# Altium PCB 111.PcbDoc
Units mil, origin at the board's own origin, x right, y up, seen from the top; angles counter-clockwise.
Board outline 1220.47 x 1968.5 mil, 2 copper layers (Top Layer, Bottom Layer); 44 components, 40 nets, 176 pads, 123 vias.
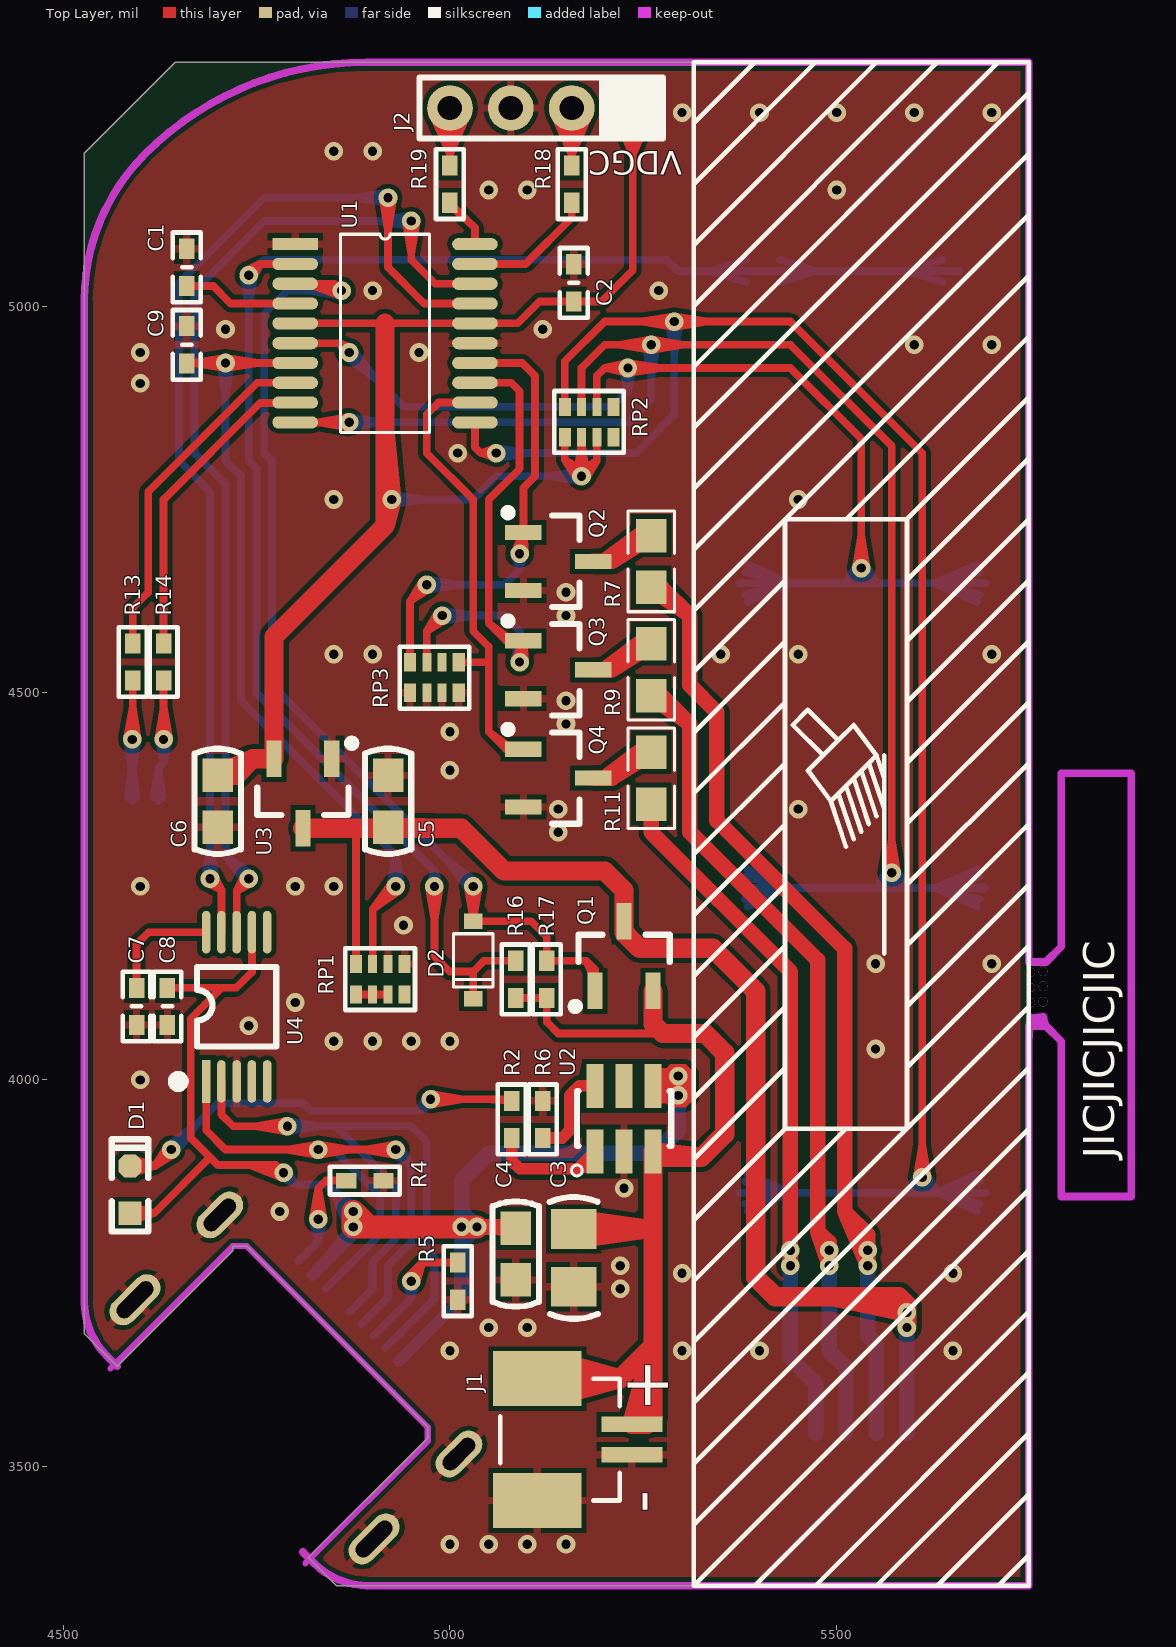
[diagram p0: Top Layer view]
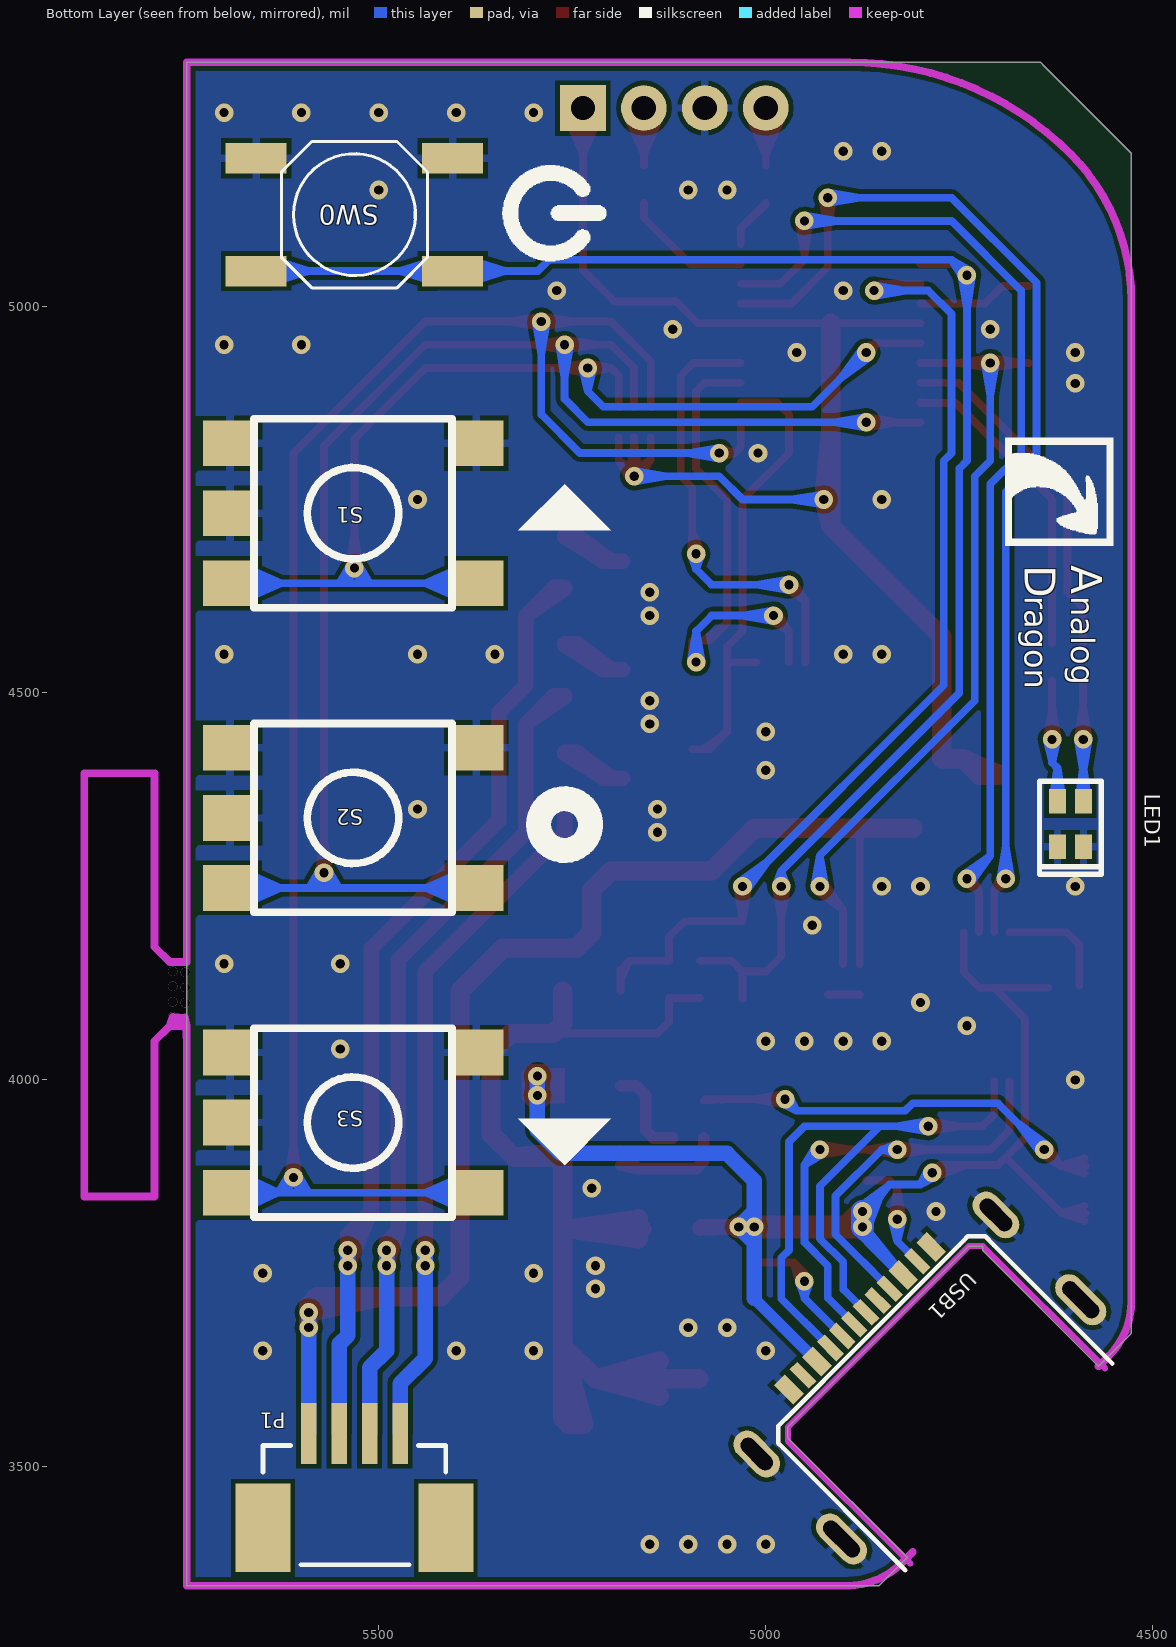
[diagram p1: Bottom Layer view, seen from below]
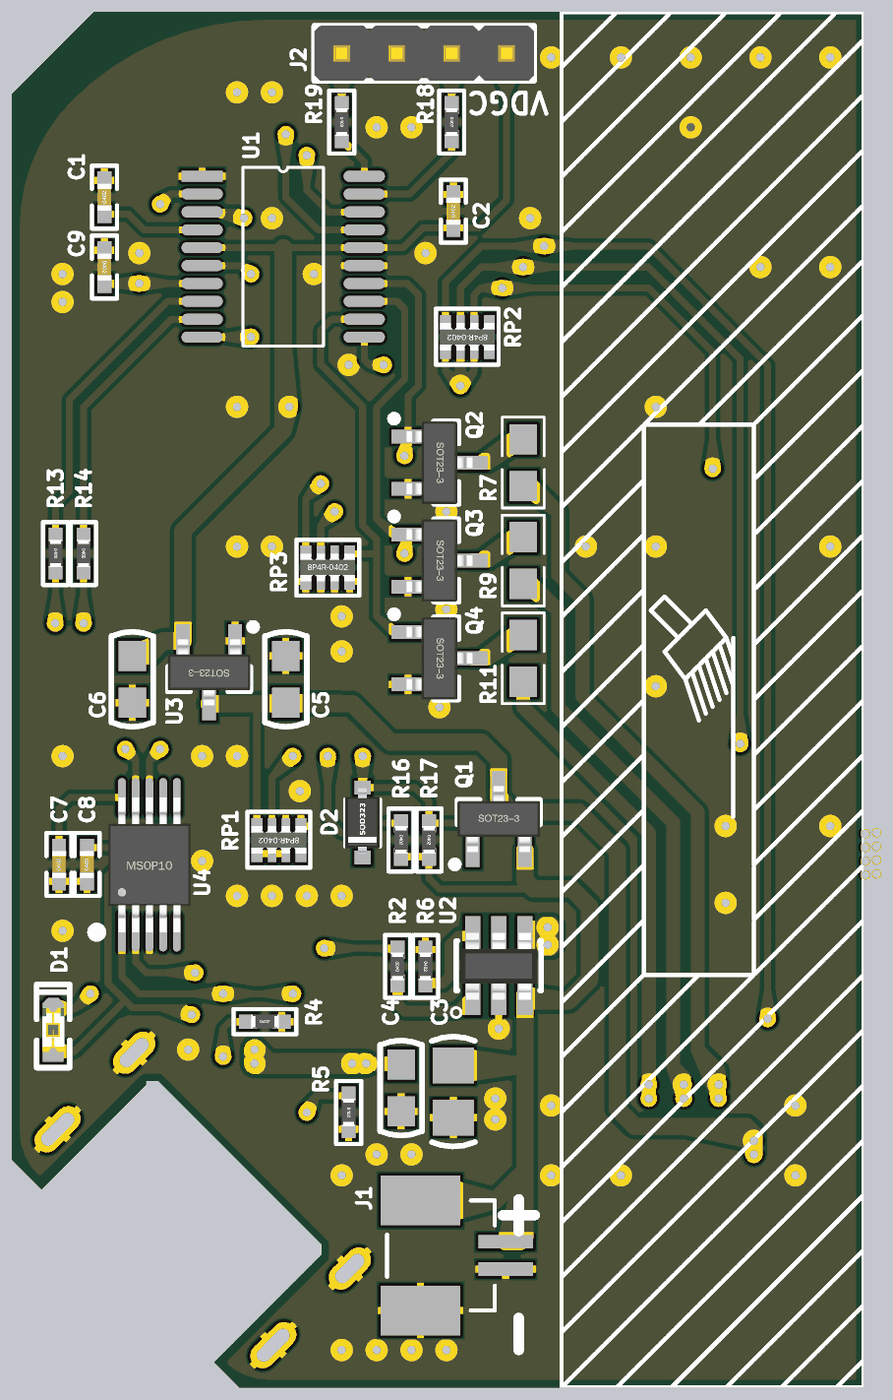
[diagram p2: 3D render of the assembled board from above, using the file's embedded part models]

## Layer stack, top to bottom
Top Layer: signal copper 1.4
Dielectric: dielectric 12.6, FR-4, Dk 4.8
Bottom Layer: signal copper 1.4

## Board outline
5748.03,3346.46 4900,3346.46 4853.54,3346.46 4817.13,3382.87 4971.28,3537.03 4971.28,3551.39 4737.43,3785.24 4719.34,3785.24 4719.34,3779.34 4570,3630 4527.56,3672.44 4527.56,3730 4527.56,5197.56 4640,5310 4644.96,5314.96 4940,5314.96 5748.03,5314.96

## Design rules (kind name [scope] priority, off if disabled: settings)
Clearance [All] p1: gap=6
PolygonConnect PolygonConnect_1 [IsVia] p1: connectstyle=Direct reliefconductorwidth=10 reliefentries=4 polygonreliefangle="90 Angle" airgapwidth=10
PolygonConnect [All] p2: connectstyle=Relief reliefconductorwidth=10 reliefentries=4 polygonreliefangle="90 Angle" airgapwidth=6
RoutingVias [All] p1: holewidth=28 width=50 viastyle="Through Hole" minholewidth=28 minwidth=50 maxholewidth=28 maxwidth=50
SolderMaskExpansion [All] p1: expansion=4
Width [All] p1: maxlimit=100 minlimit=10 preferedwidth=10
28 further rules are at their usual default settings.

## Components (designator, comment, footprint, x,y, rotation, side; value= is the part's Value field where it differs from the comment)
C1 "104" "C 0402_M" 4660,5050 r90 top
C2 "104" "C 0402_M" 5160,5030 r90 top
C3 "Cap" C-RAD-0805 5160,3770 r90 top
C4 "Cap" C-RAD-0603 5085,3775 r90 top
C5 "Cap" C-RAD-0603 4920,4360 r270 top
C6 "Cap" C-RAD-0603 4700,4360 r90 top
C7 "104" "C 0402_M" 4595,4095 r90 top
C8 "104" "C 0402_M" 4635,4095 r90 top
C9 "104" "C 0402_M" 4660,4950 r270 top
D1 "LED wight 0603" "LED 0603R" 4586.61,3858.27 r90 top
D2 "1N4148" SOD-323 5030,4205 r270 top
J1 "Pin HDR1X2" SH1.0_2pin 5235,3555 r270 top
J2 "HDR-1X4" HDR2.0-LI-4P 5118.11,5255.91 r180 top
LED1 "0603" "LED 0603-RG" 4606.3,4330.71 r270 bottom
P1 "P" SH1.0_4pin 5590.55,3543.31 r180 bottom
Q1 "SI2301" SOT23-3N 5225,4160 r0 top
Q2 "SI2302" SOT23-3N 5140,4670 r270 top
Q3 "SI2302" SOT23-3N 5140,4530 r270 top
Q4 "SI2302" SOT23-3N 5140,4390 r270 top
R2 "1K" "R 0402_M" 5080,3949 r90 top
R4 "5K1" "R 0402_M" 4890,3870 r0 top
R5 "5K1" "R 0402_M" 5010,3740 r270 top
R6 "3K3" "R 0402_M" 5120,3949 r270 top
R7 "100R" 0603-1 5260,4670 r270 top
R9 "51R" 0603-1 5260,4530 r270 top
R11 "51R" 0603-1 5260,4390 r270 top
R13 "1K" "R 0402_M" 4590,4540 r270 top
R14 "1K" "R 0402_M" 4630,4540 r270 top
R16 "10K" "R 0402_M" 5085,4130 r270 top (schematic designator R14)
R17 "10k" "R 0402_M" 5125,4130 r270 top (schematic designator R13)
R18 "100" "R 0402_M" 5157.48,5157.48 r270 top (schematic designator R14)
R19 "100" "R 0402_M" 5000,5157.48 r270 top (schematic designator R13)
RP1 "103" RCA-8P4R-0402 4910,4130 r180 top
RP2 "103" RCA-8P4R-0402 5180,4850 r180 top
RP3 "103" RCA-8P4R-0402 4980,4520 r0 top
S1 "SW-6*6 5P" BUTTON-5Pin 5374.02,4822.83 r0 bottom
S2 "SW-6*6 5P" BUTTON-5Pin 5374.02,4429.13 r0 bottom
S3 "SW-6*6 5P" BUTTON-5Pin 5374.02,4035.43 r0 bottom
SW0 "4x4x0.8" TS-027A 5531.5,5118.11 r180 bottom (schematic designator SW1)
U1 "STM32F030F4" TSSOP20 4800,5080 r0 top
U2 "TP4057" SOT23-6 5225,3950 r180 top
U3 "XC6206P332MR" SOT23-3N 4810,4370 r180 top (schematic designator Q1)
U4 "CH340E" MSOP10_M 4724.41,4094.49 r0 top
USB1 "TYPE-C" TYPE-C 4786.04,3783.96 r315 bottom

## Footprints (in the part's own frame and the unit in brackets; to place one, negate y for a bottom-side part, rotate by r counter-clockwise, add the part's x,y. Pads: shape width x height; smd on the part's side, far side on the other; paste and mask are expansions set on the pad)
0603-1 [mm] "贴片带丝印"
  rect 1.1x1 smd: 1(-0.85,0) 2(0.85,0)
  silkscreen extent -1.65,-0.76 1.65,0.76, body extent -1.14,-0.38 1.14,0.38, height 1
BUTTON-5Pin [mm]
  rect 1.8x1.5 smd: 1(0,0) 2(0,4.6) 3(8.077,4.6) 4(8.077,0) 5(8.077,2.3)
  silkscreen extent 0.8,-0.8 7.3,5.4
"C 0402_M" [mil] "无极性贴片电容"
  rect 26x20 smd: 1(-24,0) 2(24,0)
  silkscreen extent -45,-18 45,18, body extent -20,-10 20,10, height 21
C-RAD-0603 [mm] "贴片电容"
  rect 1.1x1 smd: 1(-0.85,0) 2(0.85,0)
  silkscreen extent -1.73,-0.76 1.73,0.76, body extent -1.14,-0.38 1.14,0.38, height 1
C-RAD-0805 [mm] "贴片电容"
  rect 1.3x1.5 smd: 1(-0.95,0) 2(0.95,0)
  silkscreen extent -2,-0.79 2,0.79, body extent -1.27,-0.64 1.27,0.64, height 0.9
HDR2.0-LI-4P [mm] "直插，脚距：2.0mm"
  rect 1.5x1.5 hole 0.8: 1(-3,0)
  round 1.5 hole 0.8: 2(-1,0) 3(1,0) 4(3,0)
  silkscreen extent -4,-1 4,1, body extent -4,-1 4,1, height 6.5
"LED 0603-RG" [mm] "1.5x1.6 mm"
  rect 0.8x0.55 smd: 1(-0.75,0.425) 2(-0.75,-0.425) 3(0.75,-0.425) 4(0.75,0.425)
  silkscreen extent -1.4,-1.02 1.65,1.02, body extent -0.8,-0.75 0.8,0.75, height 0.58
"LED 0603R" [mil] "红色0603LED"
  rect 30x30 smd: 1(-30.59,0)
  oct 30x30 smd: 2(30.59,0)
  silkscreen extent -54,-24 65,24, body extent -31,-16 32,16, height 24
MSOP10_M [mm] "塑封体长3mm，宽3mm，脚距0.5"
  rect 0.28x1.4 smd: 1(-1,-2.45)
  oval 0.28x1.4 smd: 2(-0.5,-2.45) 3(0,-2.45) 4(0.5,-2.45) 5(1,-2.45) 6(1,2.45) 7(0.5,2.45) 8(0,2.45) 9(-0.5,2.45) 10(-1,2.45)
  silkscreen extent -2.07,-2.6 1.3,1.3, body extent -1.5,-2.45 1.5,2.45, height 0.95
"R 0402_M" [mil] "1/16W贴片电阻"
  rect 26x20 smd: 1(-24,0) 2(24,0)
  silkscreen extent -45,-18 45,18, body extent -20,-10 20,10, height 12
RCA-8P4R-0402 [mm] "2mm*1mm*0.45mm(长*宽*厚)"
  rect 0.4x0.6 smd: 1(-0.8,-0.5) 4(0.8,-0.5) 5(0.8,0.5) 8(-0.8,0.5)
  rect 0.3x0.6 smd: 2(-0.25,-0.5) 3(0.25,-0.5) 6(0.25,0.5) 7(-0.25,0.5)
  silkscreen extent -1.14,-1.02 1.15,1.01, body extent -1,-0.5 1,0.5, height 0.45
SH1.0_2pin [mm]
  rect 1.8x2.9 smd: 0(-1.5,-3.1) 0(2.5,-3.1)
  rect 0.5x2 smd: 1(0,0) 2(1,0)
  silkscreen extent -1.5,-4.32 2.5,-0.4
SH1.0_4pin [mm]
  rect 1.8x2.9 smd: 0(-1.5,-3.1) 0(4.5,-3.1)
  rect 0.5x2 smd: 1(0,0) 2(1,0) 3(2,0) 4(3,0)
  silkscreen extent -1.5,-4.32 4.5,-0.4
SOD-323 [mm] "塑封二极管"
  rect 0.5x0.6 smd: A(0,0) K(2.54,0)
  silkscreen extent 0.41,-0.65 2.16,0.65, body extent 0.02,-0.64 2.52,0.62, height 0.9
SOT23-3N [mm] "3x1.3x1mm(长宽高)"
  rect 0.5x1.2 smd: 1(-0.95,-1.143) 2(0.95,-1.143) 3(0,1.143)
  silkscreen extent -1.72,-1.78 1.5,0.7, body extent -1.5,-1.2 1.5,1.2, height 1.05
SOT23-6 [mm] "SOT-23/SC-74A; 5 Leads; Body 3.1 x 3 mm, inc. leads (LxW max)"
  rect 0.55x1.45 smd: 1(0.95,1.075) 2(0,1.075) 3(-0.95,1.075) 4(-0.95,-1.075) 5(0,-1.075) 6(0.95,-1.075)
  silkscreen extent -1.55,-0.9 1.72,1.88, body extent -1.4,-1.19 1.4,1.23, height 1.08
TS-027A [mm] "4x4x0.8"
  rect 2x1 smd: 1(-3.225,1.85) 2(-3.225,-1.85) 3(3.225,-1.85) 4(3.225,1.85)
  silkscreen extent -2.4,-2.4 2.4,2.4, body extent -3.22,-2.4 3.23,2.4, height 0.8
TSSOP20 [mm]
  rect 1.5x0.4 smd: 1(0,0)
  oval 1.5x0.4 smd: 2(0,-0.65) 3(0,-1.3) 4(0,-1.95) 5(0,-2.6) 6(0,-3.25) 7(0,-3.9) 8(0,-4.55) 9(0,-5.2) 10(0,-5.85) 11(5.9,-5.85) 12(5.9,-5.2) 13(5.9,-4.55) 14(5.9,-3.9) 15(5.9,-3.25) 16(5.9,-2.6) 17(5.9,-1.95) 18(5.9,-1.3) 19(5.9,-0.65) 20(5.9,0)
  silkscreen extent 1.48,-6.18 4.42,0.33
TYPE-C [mm]
  rect 0.35x0.9 smd: CC1(4.129,0) CC2(0.654,0) D+1(3.579,0) D+2(1.929,0) D-1(4.679,0) D-2(3.029,0) SBU1(2.479,0) SBU2(5.954,0)
  oval 0.9x2 hole 0.5 slot 1.5 at 90 deg: GND(-2.246,4.69) GND(8.854,4.69)
  oval 0.9x1.8 hole 0.5 slot 1.3 at 90 deg: GND(-2.246,0.75) GND(8.854,0.75)
  rect 0.5x0.9 smd: GND(0.004,0) GND(6.604,0) VBUS(1.304,0) VBUS(5.304,0)
  Keep-Out Layer lines w0.2: -1.221,6.85 -1.221,1.175 -0.896,0.85 5.904,0.85 7.504,0.85 7.829,1.175 7.829,6.85
  silkscreen extent -1.5,0.6 8.1,6.9

## Part data
C1 C2 C7 C8 C9: library part C, "无极性贴片电容"
C3 C4 C5 C6: "无极性电容"
D1: library part LED-SMD, "贴片LED"
D2: "高速开关二极管"
J2: library part "Header 4", "4P接插件"
LED1: library part LED-SMD-RG, "贴片双色LED"
P1: library part SH1.0-4
Q1: "P沟道 20V/2.8A"
Q2 Q3 Q4: "N沟道 20V/3A"
R2 R4 R5 R6 R13 R14 R16 R17 R18 R19: library part R, "贴片电阻"
R7 R9 R11: library part Res1, "贴片电阻"
RP1 RP2 RP3: library part R-8P4R, "贴片网络排阻"
S1 S2 S3: "微动开关"
SW0: library part TS-027A, "薄膜轻触开关"
U3: "低压差线性稳压芯片"
USB1: library part USB-C

## Via types
v1: diameter 24, hole 12, Top Layer to Bottom Layer, 115 vias
v2: diameter 12, hole 12, Top Layer to Bottom Layer, 8 vias

## Nets (pads, with @x,y where several pads share a name; then routed paths per layer and width w, separated by ;. In a path a pad name is that pad's centre, name@x,y a point inside that pad or via, vN(x,y) a via of type N, cw(c..) or ccw(c..) an arc to the next point about the centre after c; other vN are vias at no path point)
AD: C9.2 RP1.3 U1.7 | length 1718.2
  Top Layer w10: C9.2 v1@4700.01,4926.46 ; C9.2@4660.46,4926.46 U1.7 ; v1@4709.36,4933.43 C9.2@4668,4926.09 ; v1@4709.42,4919.48 4668,4926.46 v1@4709.42,4933.43 ; v1@4709.48,4919.48 C9.2@4668,4926.09 ; v1(4710,4926.46) C9.2@4668,4926.09 ; v1@4710.58,4919.48 4752,4926.46 v1@4710.58,4933.43 ; 4740.47,4926.46 U1.7@4778.35,4926.46 ; RP1.3 4900.16,4220.16 ; RP1.3@4900.16,4155.59 4900.16,4191.5 ; v1@4924.66,4254.52 4900.16,4220.16 ; v1@4934.52,4244.66 4900.16,4220.16 ; 4900.16,4220.16 v1(4930,4250) 4900.16,4220.16
  Bottom Layer w10: v1@4703.02,4925.87 4710,4884.46 v1@4716.98,4925.87 ; v1(4710,4926.46) 4710,4800 4730,4780 4730,4490 4930,4290 ; v1@4923.03,4250.61 4930,4290 ; v1(4930,4250) 4930,4290 ; v1@4936.97,4250.61 4930,4290
BLUE: Q4.1 RP3.5 U1.12 | length 668.6
  Top Layer w10: U1.12@5010.63,4875.28 4985.28,4875.28 ; RP3.5 5049.69,4539.69 5050,4540 ; U1.12 4985.28,4875.28 ; Q4.1@5081.22,4427.4 5050,4450 ; Q4.1 5072.6,4427.4 5050,4450 ; 4985.28,4875.28 4970,4860 4970,4810 5030,4750 5030,4580 5050,4560 5050,4540 ; 5050,4450 5050,4540
BLUE1: P1.4 R11.2 | length 1010.5
  Top Layer w20: R11.2@5260,4354.57 5260,4320 ; R11.2 5260,4320 ; 5260,4320 5440,4140 v1(5440,3780) ; v1(5440,3780) v1(5440,3760) v1(5440,3780)
  Bottom Layer w20: v1(5440,3780) v1(5440,3760) 5440,3640 5472.44,3607.56 ; P1.4 5472.44,3607.56 ; P1.4@5472.44,3572.83 5472.44,3607.56
CLK: R19.2 U1.20 | length 108.9
  Top Layer w10: R19.2@5000,5130.48 5031.21,5102.27 ; R19.2 5032.28,5101.2 U1.20
D+: U4.1 USB1.D+1 USB1.D+2 | length 1290.5
  Top Layer w10: 4685.04,3940.47 U4.1@4685.04,3975.98 ; U4.1 4685.04,3934.96 4710,3910 v1(4930,3910) ; v1@4829.42,3903.02 4788,3910 v1@4829.42,3916.98 ; v1@4830.58,3903.02 4872,3910 v1@4830.58,3916.98 ; v1@4929.42,3903.02 4888,3910 v1@4929.42,3916.98
  Bottom Layer w10: v1(4830,3910) 4850,3910 ; v1@4831.23,3903.11 4850,3910 ; v1@4831.23,3916.89 4850,3910 ; USB1.D+2 4910,3800.52 4910,3850 4850,3910 ; USB1.D+2@4847.4,3737.91 4873.48,3764 ; USB1.D+1 4920,3718.65 4920,3760 4950,3790 4950,3890 ; USB1.D+1@4893.33,3691.98 4919.42,3718.06 ; v1@4925.7,3904.48 4950,3890 ; v1(4930,3910) 4950,3890 ; v1@4935.52,3914.3 4950,3890
D-: U4.2 USB1.D-1 USB1.D-2 | length 1173.3
  Top Layer w10: U4.2@4704.72,3975.98 4704.72,3955.28 ; U4.2 4704.72,3955.28 ; v1@4789.42,3933.02 4748,3940 v1@4789.42,3946.98 ; v1(4790,3940) 4720,3940 4704.72,3955.28
  Bottom Layer w10: v1(4790,3940) 4852.63,3940 ; v1@4790.58,3933.02 4832,3940 v1@4790.58,3946.98 ; USB1.D-2 4900,3729.27 ; USB1.D-2@4878.02,3707.29 4900,3729.27 ; USB1.D-1 4980,3717.4 4980,3770 4970,3780 4970,3920 4950,3940 4852.63,3940 ; USB1.D-1@4923.95,3661.36 4950.04,3687.44 ; 4852.63,3940 4930,3862.63 4930,3795 4900,3765 4900,3729.27
DIO: R18.2 U1.19 | length 223.4
  Top Layer w10: U1.19 5097.72,5054.41 5157.48,5114.17 ; U1.19@5053.94,5054.41 5091.81,5054.41 ; R18.2@5157.48,5130.48 5157.48,5114.17 ; R18.2 5157.48,5114.17
GND: C1.2 C2.2 C3.1 C4.1 C5.1 C6.1 C7.1 C8.1 C9.1 J1.0@5112.95,3456.57 J1.2 J2.3 LED1.3 LED1.4 Q2.2 Q3.2 Q4.2 R4.2 R5.2 R6.1 RP1.1 RP1.2 RP3.1 RP3.2 RP3.3 RP3.4 S1.1 S1.4 S1.5 S2.1 S2.4 S2.5 S3.1 S3.4 S3.5 SW0.1 SW0.4 U1.1 U1.15 U2.2 U3.1 U4.3 USB1.GND
  other v1: 5000,3400 5050,3400 5100,3400 5150,3400 5000,3650 5300,3650 5400,3650 5650,3650 5050,3680 5100,3680 5220,3730 5300,3750 5650,3750 5220,3760 4780,3830 5225,3860 4600,4000 5550,4040 4850,4050 4900,4050 4950,4050 5000,4050 4740,4070 4800,4100 5550,4150 5700,4150 4940,4200 4600,4250 4800,4250 4850,4250 5140,4320 5140,4350 5450,4350 5000,4400 5000,4450 5150,4460 5150,4490 4850,4550 4900,4550 5350,4550 5450,4550 5700,4550 5150,4600 5150,4630 4850,4750 5450,4750 5010,4810 4600,4900 4600,4940 4960,4940 5600,4950 5700,4950 4710,4970 5120,4970 4900,5020 5270,5020 5050,5150 5100,5150 5500,5150 4850,5200 4900,5200 5300,5250 5400,5250 5500,5250 5600,5250 5700,5250
GREEN: Q3.1 RP3.7 U1.13 | length 1081.4
  Top Layer w10: RP3.7 4970.16,4580.16 ; RP3.7@4970.16,4545.59 4970.16,4580.16 ; v1@4984.47,4604.29 4970.16,4580.16 ; v1(4990,4600) 4970.16,4580.16 ; v1@4994.29,4594.47 4970.16,4580.16 ; U1.13 5079.13,4900.87 ; U1.13@5053.94,4900.87 5079.13,4900.87 ; Q3.1@5081.22,4567.4 5050,4590 ; v1@5083.33,4542.11 Q3.1 ; v1@5096.99,4539.62 Q3.1 ; 5050,4590 5072.6,4567.4 Q3.1 ; 5050,4590 5050,4750 5090,4790 5090,4890 5079.13,4900.87 ; Q3.1 v1(5090,4540) 5095,4545 Q3.1
  Bottom Layer w10: v1(4990,4600) 5070,4600 5090,4580 ; v1@4990.58,4593.02 5032,4600 v1@4990.58,4606.98 ; v1@5083.03,4540.61 5090,4580 ; v1(5090,4540) 5090,4580 ; v1@5096.97,4540.61 5090,4580
GREEN1: P1.3 R9.2 | length 1318.1
  Top Layer w20: R9.2@5260,4494.57 5310,4460 ; R9.2 5273.46,4496.54 5310,4460 ; 5310,4460 5310,4320 5475,4155 5475,3805 ; 5475,3805 v1(5490,3760) ; 5475,3805 v1(5490,3780) ; 5475,3805 5490,3790 v1(5490,3780) ; v1(5490,3760) v1(5490,3780) ; v1(5490,3760) v1(5490,3780) ; v1(5490,3760) v1(5490,3780)
  Bottom Layer w20: v1(5490,3780) v1(5490,3760) 5490,3650 5511.81,3628.19 ; P1.3 5511.81,3628.19 ; P1.3@5511.81,3572.83 5511.81,3628.19